# Allegro board C000PD020-3399PRO-DMEB-A-A01.brd (continued)
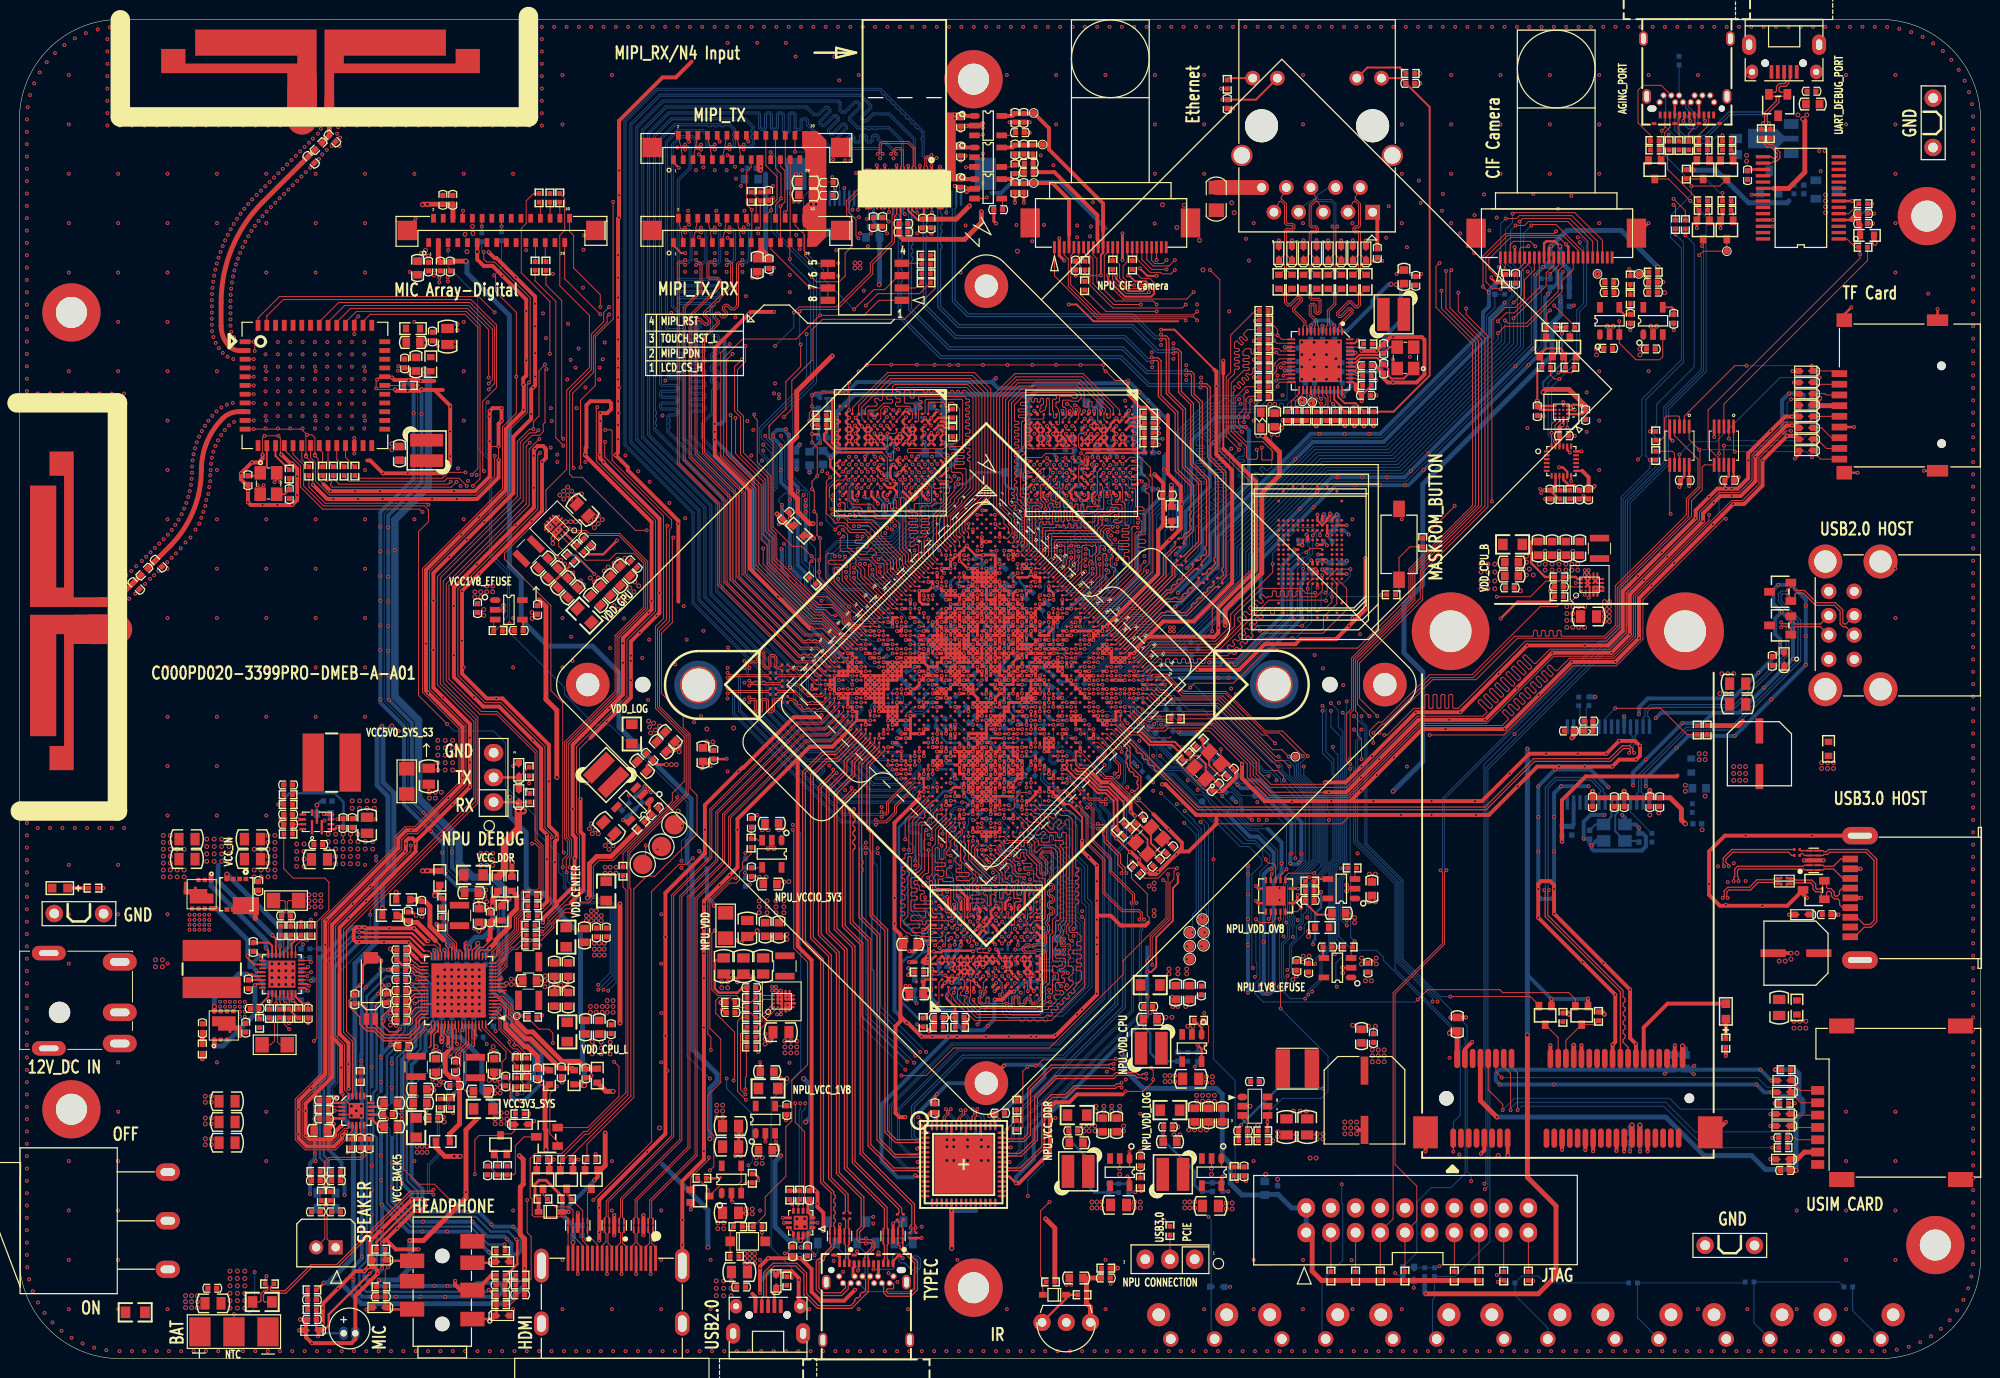
[diagram p0: board, top side]
## Routing (per net, layer and track width the routed paths; a pad name or vN(x,y) marks a point on that pad's centre or on a via; arc(x,y) is an arc through that point) (continued)
  TOP w0.203: U1000.AU14 v1(88.92,64.3)
  S1 w0.127: v1(88.92,64.3) 88.92,64.53 88.83,64.62 88.65,64.62 87.17,63.14 87.17,58.26 85.78,56.87 85.78,56.65 v1(85.88,56.55)
USB20_OTG1_DM_J: length 9.4
  TOP w0.127: J2501.2 187.58,46.41 187.29,46.7 187.29,47.12 187.11,47.31 186.75,47.31 186.46,47.6 186.46,47.92 186.29,48.08 186.08,48.08 185.95,47.95 185.95,47.49 ED2501.1 185.41,47.6 185.41,47.9 185.28,48.03 184.85,48.03 184.56,48.32 184.56,48.71 184.31,48.96 182.71,48.96 182.61,48.86 FB2500.2 182.17,48.82 R2500.2
USB20_OTG1_DM_PORT: length 96.7
  TOP w0.127: v1(113.41,28.39) 113.3,28.28 112.89,28.28 112.69,28.08 108.52,28.08 107.61,27.16 106.18,27.16 105.21,26.19 105.21,21.82 103,19.61 101.79,19.61 101.68,19.73 U2102.35 ; v1(175.78,47.41) 175.69,47.5 175.69,48.02 175.9,48.22 178.13,48.22 178.91,48.99 180.42,48.99 180.56,48.86 FB2500.1 181,48.82 R2500.1
  S1 w0.127: v1(113.41,28.39) 113.5,28.31 117.17,28.31 117.48,28 119.61,28 121.54,29.93 130.2,29.93 135.69,35.42 139.96,35.42 146.76,42.23 162.31,42.23 168.2,48.12 175.38,48.12 175.67,47.83 175.67,47.53 v1(175.78,47.41)
USB20_OTG1_DP: length 53.5
  TOP w0.127: U2102.9 92.52,19.23 92.41,19.34 89.88,19.34 87.33,21.89 87.33,43.02 85.49,44.85 85.49,56.08 85.38,56.19 v1(85.38,56.55)
  TOP w0.203: U1000.AT14 v1(89.38,64.76)
  S1 w0.127: v1(89.38,64.76) 89.09,64.76 88.95,64.9 88.54,64.9 86.89,63.26 86.89,58.38 85.5,56.98 85.5,56.67 v1(85.38,56.55)
USB20_OTG1_DP_J: length 9.5
  TOP w0.127: R2503.2 182.17,49.45 FB2500.4 182.61,49.41 182.79,49.24 184.43,49.24 184.84,48.83 184.84,48.44 184.96,48.31 185.32,48.31 185.55,48.54 185.55,48.98 ED2501.2 185.95,48.95 185.95,48.49 186.08,48.36 186.41,48.36 186.74,48.03 186.74,47.71 186.87,47.58 187.06,47.58 187.28,47.8 187.28,48.12 187.57,48.41 J2501.3
USB20_OTG1_DP_PORT: length 96.7
  TOP w0.127: v1(113.41,27.89) 113.3,28 113,28 112.8,27.8 108.64,27.8 107.72,26.88 106.3,26.88 105.49,26.07 105.49,21.7 103.12,19.34 101.79,19.34 101.68,19.23 U2102.34 ; R2503.1 181,49.45 FB2500.3 180.56,49.41 180.42,49.27 178.79,49.27 178.01,48.5 175.78,48.5 175.41,48.13 175.41,47.54 v1(175.28,47.41)
  S1 w0.127: v1(175.28,47.41) 175.39,47.51 175.39,47.71 175.26,47.84 168.32,47.84 162.42,41.95 146.88,41.95 140.07,35.14 135.8,35.14 130.32,29.65 121.66,29.65 119.72,27.72 117.36,27.72 117.05,28.03 113.55,28.03 v1(113.41,27.89)
USB30_RX1N: length 47.6
  TOP w0.127: U2102.6 90.02,20.73 88.24,22.5 88.24,43.53 86.39,45.39 86.39,61.24 88,62.86 U1000.AY15
USB30_RX1N_PORT: length 104.3
  TOP w0.127: v1(176.39,49.13) 176.39,49.49 176.5,49.6 176.5,50.37 176.8,50.66 183.57,50.66 183.69,50.77 U2506.9 U2506.2 185.58,50.77 185.69,50.66 186.14,50.66 186.14,50.66 186.66,50.66 187.41,51.41 J2501.5 ; U2102.37 101.68,20.73 101.79,20.84 103.1,20.84 104.75,22.49 104.75,26.86 106.71,28.81 112.6,28.81 112.93,29.14 114.79,29.14 115.02,28.92 115.48,28.92 115.59,28.81 v1(115.95,28.81)
  S1 w0.127: v1(115.95,28.81) 116.05,28.81 116.19,28.94 116.37,28.94 116.58,29.14 116.89,29.14 118.21,30.47 129.98,30.47 135.44,35.93 139.71,35.93 146.54,42.76 162.09,42.76 168.87,49.54 176.37,49.54 176.49,49.41 176.49,49.23 v1(176.39,49.13)
USB30_RX1P: length 48
  TOP w0.127: U1000.AW15 88.46,62.92 86.67,61.13 86.67,51.33 86.79,51.2 86.79,50.94 86.67,50.82 86.67,50.56 86.79,50.44 86.79,50.18 86.67,50.06 86.67,45.5 88.52,43.65 88.52,22.62 90.13,21 92.41,21 92.63,21.23 U2102.5
USB30_RX1P_PORT: length 104.3
  TOP w0.127: v1(176.89,49.13) 176.89,49.49 176.78,49.6 176.78,50.25 176.91,50.38 183.57,50.38 183.68,50.27 U2506.10 U2506.1 185.58,50.27 185.69,50.38 186.26,50.38 186.66,50.38 187.64,49.41 J2501.6 ; U2102.38 101.68,21.23 101.79,21.11 102.98,21.11 104.47,22.61 104.47,26.97 106.59,29.09 112.48,29.09 112.81,29.42 114.91,29.42 115.14,29.2 115.48,29.2 115.59,29.31 v1(115.95,29.31)
  S1 w0.127: v1(115.95,29.31) 116.04,29.22 116.26,29.22 116.46,29.42 116.78,29.42 118.1,30.74 129.87,30.74 135.33,36.21 139.59,36.21 146.43,43.04 161.97,43.04 168.75,49.82 176.48,49.82 176.77,49.53 176.77,49.26 v1(176.89,49.13)
USB30_TX1N: length 45.3
  TOP w0.127: U2102.2 92.79,22.73 92.58,22.52 90.25,22.52 89.33,23.43 89.33,44.16 87.81,45.68 87.81,54.29 87.48,54.62 87.48,61.02 89.06,62.6 89.06,62.78 U1000.AW16
USB30_TX1N_J: length 17.4
  TOP w0.127: C2506.2 183.38,51.98 183.48,51.98 183.68,51.77 U2506.7 U2506.4 185.58,51.77 185.69,51.88 186.04,51.88 186.27,52.11 190,52.11 190.84,51.27 190.84,45.08 190.42,44.66 189.81,44.66 189.07,45.41 J2501.8
USB30_TX1N_PORT: length 98.4
  TOP w0.127: U2102.41 101.68,22.73 101.79,22.61 103.25,22.61 103.76,23.12 103.76,27.79 106.18,30.21 112.13,30.21 112.24,30.32 v1(112.6,30.32) ; C2506.1 182.35,51.78 182.02,52.11 176.32,52.11 175.59,51.38 175.59,51.06 175.9,50.76 v1(175.9,50.66)
  S1 w0.127: v1(175.9,50.66) 175.9,50.76 175.57,51.09 175.57,51.18 175.27,51.47 169.4,51.47 161.68,43.75 146.13,43.75 139.3,36.92 135.03,36.92 129.57,31.46 115.35,31.46 114.11,30.21 113.07,30.21 112.96,30.32 v1(112.6,30.32)
USB30_TX1P: length 45.1
  TOP w0.127: U1000.AY16 88.46,62.4 87.2,61.14 87.2,54.5 87.53,54.17 87.53,45.56 89.05,44.04 89.05,23.31 90.14,22.22 U2102.3
USB30_TX1P_J: length 18.3
  TOP w0.127: J2501.9 188.84,43.41 189.81,44.38 190.54,44.38 191.12,44.96 191.12,51.39 190.12,52.39 186.16,52.39 185.93,52.16 185.69,52.16 185.58,52.27 U2506.5 U2506.6 183.5,52.27 183.49,52.26 183.31,52.26 183.18,52.38 C2507.2
USB30_TX1P_PORT: length 98.1
  TOP w0.127: C2507.1 176.2,52.39 175.31,51.5 175.31,50.74 v1(175.39,50.66) ; v1(112.6,29.82) 112.24,29.82 112.13,29.93 106.3,29.93 104.04,27.67 104.04,23.01 103.37,22.34 101.79,22.34 101.68,22.22 U2102.40
  S1 w0.127: v1(175.39,50.66) 175.29,50.77 175.29,51.06 175.16,51.19 169.51,51.19 161.79,43.47 146.25,43.47 139.42,36.64 135.15,36.64 129.69,31.18 115.47,31.18 114.22,29.93 113.07,29.93 112.96,29.82 v1(112.6,29.82)
VREFCA_DDR0: length 18.6
  TOP w0.102: U3601.H4 90.26,95.35 90.12,95.2 v1(89.33,95.2) 89.33,95 89.31,94.97 89.31,93.86 89.08,93.63
  TOP w0.254: 89.08,93.63 84.2,93.63 83.61,94.22 83.61,98.67 v1(83.67,98.74)
  BOTTOM w0.254: v1(89.33,95.2) 89.23,95.1 C3650.1 ; 83.13,98.81 C3649.1 R3610.1 R3606.2 C3643.2 ; 83.13,98.81 83.59,98.81 v1(83.67,98.74) ; 83.13,98.81 C3651.1
VREFCA_DDR1: length 14.2
  TOP w0.102: U3600.H4 109.95,95.56 109.95,95.47 v1(109.66,95.18) 109.12,95.18 108.97,95.02 108.97,93.86 109.25,93.58
  TOP w0.254: v1(115.19,93.83) 114.93,93.58 109.25,93.58
  BOTTOM w0.254: v1(115.19,93.83) 115.76,93.27 ; 115.76,93.27 R3604.2 R3608.1 C3644.1 C3645.1 ; 115.76,93.27 C3642.2 ; v1(109.66,95.18) 109.56,95.28 C3646.1
VREFDQ_DDR0: length 13.4
  TOP w0.102: U3601.J11 89.61,90.05 v1(89.23,90.43) 89.31,90.5 89.31,92.69 88.75,93.25
  TOP w0.254: R3607.2 R3611.1 83.03,95.33 C3653.1 82.8,94.52 84.07,93.25 88.75,93.25
  BOTTOM w0.406: C3652.1 89.23,90.91 v1(89.23,90.43)
VREFDQ_DDR1: length 13.4
  TOP w0.102: 109.82,93.21 109.55,92.94 109.55,92.57 109.61,92.51 109.61,92.23 109.36,91.98 109.14,91.98 108.99,91.83 108.99,90.3 109.31,89.99 U3600.J11 109.31,89.93 v1(109.63,89.61)
  TOP w0.254: 109.82,93.21 115.91,93.21 C3648.1 115.76,93.4 R3609.1 R3605.2
  BOTTOM w0.254: v1(109.63,89.61) 109.42,89.82 C3647.1
WIFI_HOST_WAKE_L: length 194
  TOP w0.102: U6100.16 28.15,93.05 29.24,91.97 29.24,89.81 31.3,87.74 41.68,87.74 42.09,87.34 42.09,86.12 41.07,85.1 41.07,68.24 v1(44.02,65.29) ; v1(130.12,59.5) 130.07,59.5 130.07,59.9 129.46,60.51 129.04,60.51 122.94,66.61 116.97,66.61 116.76,66.41 115.32,66.41 114.67,67.05 U1000.G39
  S1 w0.102: v1(59.56,38.47) 59.77,38.67 68.18,38.67 72.25,34.61 90.25,34.61 90.96,35.32 94.11,35.32 94.82,34.61 96.24,34.61 96.95,35.32 106.69,35.32 113.9,42.53 119.03,42.53 119.74,43.24 123.88,43.24 125.3,44.66 130.18,44.66 v1(130.38,44.87)
  BOTTOM w0.102: v1(59.56,38.47) 60.78,39.69 60.78,46.29 60.27,46.8 57.63,46.8 56.01,48.42 56.01,49.54 55.5,50.05 55.5,51.88 53.06,54.32 53.06,55.84 50.01,58.89 50.01,63.36 48.79,64.58 44.73,64.58 v1(44.02,65.29) ; v1(130.12,59.5) 132.72,56.9 132.72,51.27 130.28,48.83 130.28,44.97 v1(130.38,44.87)
WIFI_REG_ON_H: length 83.8
  TOP w0.102: U6100.15 27.25,93.52 28.93,91.84 28.93,89.68 31.2,87.41 41.2,87.41 v1(41.48,87.13) ; U1000.AD9 v1(93.06,73.03)
  S1 w0.089: 82.32,71.28 84.39,69.22 84.46,69.22 84.65,69.03 84.65,68.96 84.85,68.76 84.92,68.76 85.11,68.57 85.11,68.5 85.47,68.13 85.57,68.13 85.84,67.87 85.84,67.84 86.3,67.38 86.49,67.19 87.68,67.19 89.33,68.84 89.33,68.97 89.64,69.27 92.51,69.27 92.92,69.68 93.38,70.14 93.38,70.41 93.19,70.59 93.19,72.89 v1(93.06,73.03)
  S1 w0.102: 82.32,71.28 82.07,71.54 75.49,71.54 59.69,87.34 41.68,87.34 v1(41.48,87.13)
XTAL_IN: length 4.5
  TOP w0.203: C6106.1 24.47,90.83 Y6100.1 25.45,91.82 U6100.13
XTAL_OUT: length 2.6
  TOP w0.203: Y6100.3 27.3,88.95 C6107.1 R6105.1
N16750498: length 4.2
  TOP w0.102: R8308.2 C8315.1 182.7,22.72 182.91,22.52 J8301.C6
N16787562: length 4
  TOP w0.102: U8300.3 125.83,24.63 126.36,24.1 C8310.2 R8305.2 R8310.1
N16840335: length 2
  TOP w0.406: R8303.2 LED8300.1
N16840488: length 12.7
  TOP w0.406: J8300.42 167.13,34.07 169.58,36.52 LED8300.2
N16852534: length 2.1
  TOP w0.102: U2000.11 C2010.1 R2002.2
N16852678: length 3.9
  S1 w0.254: v1(32.72,55.51) v1(36.65,55.51)
  vias: v2(34.24,57.39) v2(34.24,56.63) v2(35,57.39) v2(35,56.63) v2(35.76,57.39) v2(35.76,56.63) v2(36.53,57.39) v2(36.53,56.63)
N16852986: length 11.9
  TOP w0.254: v1(32.72,54.72) 32.47,54.48 U2000.3 ; R2003.1 v1(26.63,57.02)
  BOTTOM w0.254: v1(32.72,54.72) 33.05,54.72 33.35,55.03 33.35,57.26 32.44,58.18 27.79,58.18 v1(26.63,57.02)
N16858859: length 38.9
  TOP w0.102: U?.32 43.09,41.38 43.09,41.81 43.05,41.84 43.05,42.28 42.77,42.56 41.63,42.56
  TOP w0.254: 41.63,42.56 40.41,43.77 35.5,43.77 35.4,43.87 v1(34.98,43.87)
  BOTTOM w0.254: FB2101.1 31.42,17.81 31.42,20.18 30.91,20.69 30.91,28.32 31.42,28.83 31.42,40.7 34.59,43.87 v1(34.98,43.87)
N16858863: length 37
  TOP w0.102: 41.63,41.95 42.14,41.95 42.39,41.7 42.39,41.38 U?.34
  TOP w0.254: v1(34.98,43.37) 40.21,43.37 41.63,41.95
  BOTTOM w0.254: v1(34.98,43.37) 34.6,43.37 31.83,40.6 31.83,28.66 31.32,28.15 31.32,20.89 31.83,20.38 31.83,17.75 FB2100.1
N16858865: length 7.4
  TOP w0.102: C2144.1 C2145.1 39.85,38.89 39.85,38.54 40.23,38.16 40.97,38.16 41.04,38.23 41.69,38.23 U?.42
  TOP w0.152: U?.43 41.69,37.88 40.41,37.88 v1(40.21,37.68) 40.01,37.88 C2144.1
  BOTTOM w0.102: C2145.1 C2140.2
  BOTTOM w0.152: C2140.2 39.96,37.7 40.18,37.7 v1(40.21,37.68)
N16876893: length 5.7
  TOP w0.102: U?.27 44.84,41.79 44.78,41.84 44.78,42.66 43.87,43.57 43.87,44.97 R2114.1 R2112.1
N16877510: length 7.2
  TOP w0.102: R2125.1 52.04,45.58 51.54,45.07 51.54,43.85 49.56,41.87 49.56,40.83 49.06,40.33 48.69,40.33 U?.16
N16877512: length 6.3
  TOP w0.102: R2126.1 51.74,44.17 51.74,43.75 49.76,41.77 49.76,40.63 49.12,39.98 48.69,39.98 U?.15
N16877514: length 5.8
  TOP w0.102: R2127.1 50.91,42.33 50.62,42.33 49.96,41.67 49.96,40.42 49.17,39.63 48.69,39.63 U?.14
N16877516: length 7.6
  TOP w0.102: U?.17 49,40.68 49.35,41.03 49.35,41.97 51.33,43.95 51.33,45.25 52.31,46.22 R2130.1
N16877518: length 8.8
  TOP w0.102: R2131.1 52.15,47.61 51.84,47.3 51.84,46.06 51.13,45.35 51.13,44.05 49.11,42.03 49.11,41.48 48.94,41.31 48.29,41.31 48.22,41.38 U?.18
N16878059: length 8.7
  TOP w0.102: C2150.1 48.3,19.82 R2160.2 R2161.1 50.88,18.92 51.03,19.06 51.03,21.91 51.94,22.82 D2100.3
N17170012: length 2.5
  TOP w0.102: R9828.1 J9711.2
N58892362: length 2.3
  TOP w0.254: R3602.1 115.37,95.89 114.76,95.89 114.68,95.96 114.26,95.96 U3600.B4
N58892375: length 2.3
  TOP w0.254: U3600.B3 114.28,96.78 114.66,96.78 114.76,96.87 115.32,96.87 115.36,96.91 115.38,96.91 R3600.1
N58896052: length 2.1
  TOP w0.254: U3601.B4 94.56,96.01 94.96,96.01 95.18,95.78 R3603.1
N58896059: length 2
  TOP w0.254: U3601.B3 94.56,96.81 R3601.1
N65226615: length 2.2
  BOTTOM w0.102: U2800.17 160.57,67.05 R2803.1
N65226633: length 2.3
  BOTTOM w0.102: R2801.1 161.22,66.91 U2800.18
N73963763: length 4.4
  BOTTOM w0.254: 93.03,39.14 C3114.2 93.03,38.79 ; 93.03,39.14 92.86,38.96 93.03,38.79 ; 93.03,39.14 R3103.2 R3104.1 ; C3117.1 R3107.1 93.03,38.79
N74624754: length 2.1
  TOP w0.254: R7007.2 C7003.1 29.69,6.01 29.69,5.08 R7008.1
N74679790: length 2.2
  TOP w0.152: U?.46 41.68,36.83 41.12,36.83 40.82,36.54 v1(40.67,36.54)
  BOTTOM w0.254: v1(40.67,36.54) 40.33,36.88 C2127.1
N74679798: length 11.1
  TOP w0.152: C2133.1 35.28,36.52 35.71,36.09 Y2100.2 35.71,34.17 35.86,34.02 36.55,34.02 37.56,33.01 40.11,33.01 41.12,34.02 41.12,34.83 41.37,35.08 U?.51
N74679800: length 10.2
  TOP w0.152: C2130.1 37.73,36.66 36.96,36.66 36.6,36.31 Y2100.1 36.6,34.38 37.67,33.31 40.01,33.31 40.82,34.12 40.82,34.96 41.29,35.43 U?.50
N74687755: length 10.8
  TOP w0.152: 44.12,33.06 43.71,33.46 43.71,33.87 43.79,33.94 43.79,34.38 U?.56
  TOP w0.381: 44.12,33.06 v1(44.12,32.17) ; v1(44.68,27.21) 44.68,27.08 R2118.1 R2117.1
  BOTTOM w0.381: v1(44.12,32.17) 44.42,31.86 45.44,31.86 45.85,31.46 45.85,28.38 v1(44.68,27.21)
N74763326: length 1.7
  TOP w0.152: U4100.K2 v1(136.57,80.74)
  BOTTOM w0.254: C4100.2 136.02,80.74 v1(136.57,80.74)
N74993369: length 115.6
  TOP w0.102: R9100.2 122.85,65.84 127.25,61.44 127.25,60.2 128.67,58.79 136.53,58.79 143.84,66.1 150.6,66.1 150.99,66.49 150.99,66.63 150.11,67.51 150.11,67.65 150.26,67.79 150.4,67.79 151.27,66.92 151.42,66.92 151.56,67.07 151.56,67.21 150.69,68.08 150.69,68.23 150.83,68.37 150.98,68.37 151.85,67.5 151.99,67.5 152.14,67.64 152.14,67.78 151.26,68.66 151.26,68.8 151.41,68.94 151.55,68.94 152.42,68.07 152.57,68.07 152.71,68.22 152.71,68.36 151.84,69.23 151.84,69.38 151.98,69.52 152.13,69.52 153,68.65 153.14,68.65 153.29,68.79 153.29,68.94 152.41,69.81 152.41,69.95 152.56,70.1 152.7,70.1 153.57,69.22 153.72,69.22 153.86,69.37 153.86,69.51 152.99,70.38 152.99,70.53 153.13,70.67 153.28,70.67 154.15,69.8 154.29,69.8 154.44,69.94 154.44,70.09 153.56,70.96 153.56,71.1 153.71,71.25 153.85,71.25 154.72,70.37 154.87,70.37 155.01,70.52 155.01,70.66 154.14,71.53 154.14,71.68 154.28,71.82 154.43,71.82 155.3,70.95 155.44,70.95 155.59,71.09 155.59,71.24 154.71,72.11 154.71,72.25 154.86,72.4 155,72.4 155.87,71.52 156.02,71.52 157.49,72.99 163.67,72.99 165.35,74.67 165.35,78.78 172.88,86.31 172.88,87.12 174.87,89.12 176.97,89.12 178.28,90.43 178.28,92.97 181.69,96.38 184.12,96.38 184.46,96.71 ED9103.1 J9100.5
N75025601: length 3.2
  TOP w0.152: U?.61 45.54,34.38 45.54,33.85 45.57,33.82 v1(45.57,33.79)
  BOTTOM w0.508: v1(45.57,33.79) 45.73,33.95 C2139.1 R2124.1 46.76,34.18 46.76,33.12 46.8,33.08 R2122.2
N75549407: length 6.8
  TOP w0.102: R2123.2 R2121.2 51.18,30.15 50.67,30.66 50.67,31.35 47.99,34.04 47.99,34.38 U?.68
N76964882: length 2
  TOP w0.102: R7502.1 53.11,112.93 J7500.23
N76964913: length 1.5
  TOP w0.102: v1(47.57,116.5) 47.57,117.31 J7500.12
  BOTTOM w0.102: R7500.1 v1(47.57,116.5)
N76964950: length 1.4
  TOP w0.102: J7500.16 v1(49.61,116.5)
  BOTTOM w0.102: R7501.1 v1(49.61,116.5)
N76965092: length 1.7
  TOP w0.102: R7505.1 54.61,118.97 J7500.26
N76965117: length 2
  TOP w0.102: J7500.25 54.11,112.95 R7504.1
N76965125: length 1.7
  TOP w0.102: R7503.1 53.61,118.85 J7500.24
N77104915: length 6.9
  TOP w0.102: R4103.1 143.08,83.53 141.96,82.41 SW4100.2 141.96,78.96 R4102.2
N77157808: length 15.2
  TOP w0.203: C1113.1 117.44,52.02 116.43,53.02 116.43,54.68 115.59,54.68 115.2,55.06 C1130.1 113.65,55.06 R1106.1 113.63,57.25 112.05,58.83 111.22,58.83 109.64,60.41 108.89,60.41 U1000.Y40
N77157812: length 5.2
  TOP w0.203: C1114.1 116.7,51.92 116.08,51.92 116.08,53.43 115.07,54.43 R1107.1
N77157826: length 10.5
  TOP w0.127: 109.19,60.11 108.78,60.11 108.23,60.66 108.23,61.08
  TOP w0.203: 109.19,60.11 109.51,60.11 111.1,58.51 111.93,58.51 112.99,57.45 R1106.2 113.6,53.79 R1107.2
N77203466: length 4.6
  TOP w0.254: U9700.4 188.45,117.17 188.49,117.21
  TOP w0.508: R9702.2 189.4,116.67 C9700.1 C9701.1 189.1,117.82 188.49,117.21
N77203798: length 2.4
  TOP w0.102: R9700.2 188.9,114.36 188.05,115.22 U9700.1
N77203800: length 2.5
  TOP w0.102: R9701.2 188.25,117.82 U9700.5
N77245547: length 3.5
  TOP w0.152: 42.74,33.98 42.37,33.61 42.04,33.61 ; 42.74,33.98 U?.53 ; 42.74,33.98 42.74,33.81 42.34,33.41 42.34,32.19 42.14,31.99
N77640550: length 1.7
  BOTTOM w0.102: R3108.2 R3109.2 99.7,36.26 C3127.1
N77675235: length 1.2
  TOP w0.203: C9602.1 51.83,75.97 U9600.4
N77909779: length 2.2
  TOP w0.102: R3101.1 93.7,39.78 94.01,39.47 94.5,39.47 94.6,39.47 U3100.B4
N77909781: length 4.8
  TOP w0.102: R3100.1 94.61,36.67 94.62,38.52 94.62,38.69 U3100.B3
N78239852: length 1.1
  TOP w0.305: U1000.R7 v1(95.36,78.09)
  BOTTOM w0.254: R1204.1 94.93,78.51 v1(95.36,78.09)
N78245073: length 1.1
  TOP w0.305: U1000.G15 v1(103.17,78.54)
  BOTTOM w0.254: v1(103.17,78.54) 103.54,78.18 R1205.1
N78245833: length 2.4
  TOP w0.102: U1000.J25 107.31,72.57 v1(107.77,72.11)
  BOTTOM w0.089: v1(107.77,72.11) 108.23,72.11 108.76,71.58 R1300.1
N78331808: length 1.1
  TOP w0.305: U1000.AK35 v1(102.25,58.32)
  BOTTOM w0.254: R1207.1 102.25,58.5 v1(102.25,58.32)
N78340621: length 3.6
  TOP w0.203: U2200.E4 162.98,80.21 ; U2200.E4 162.37,80.82 ; U2200.E4 U2200.D3 ; 161.97,80.83 U2200.D4 U2200.E3 162.99,79.81
N78340690: length 2.9
  TOP w0.102: U2200.A2 C2206.1 R2201.2
N78341282: length 3.2
  TOP w0.254: U2201.D4 U2201.E4 ; U2201.D4 54.57,85.29 54.38,85.1 ; U2201.D4 U2201.D3 U2201.E3 ; U2201.E4 54.35,85.58 ; U2201.E4 U2201.E3 ; U2201.E3 54.37,86.12 54.28,86.12 ; 54.08,85.3 54.35,85.58 ; 54.35,85.58 54.33,85.58 54.08,85.83
N78341328: length 2.9
  TOP w0.254: C2209.1 R2202.2 56.05,85.01 U2201.A2
N78348845: length 3.7
  TOP w0.254: U2203.5 123.67,18.62 v1(123.79,18.74)
  BOTTOM w0.254: R2211.2 C2219.2 R2213.1 v1(123.79,18.74)
N78520754: length 1.2
  TOP w0.203: U9601.4 134.15,41.3 C9606.1
N78542743: length 1.4
  TOP w0.305: U1000.AF12 v1(92.6,70.73)
  BOTTOM w0.203: R1700.1 91.94,70.08 v1(92.6,70.73)
N78648910: length 4.7
  TOP w1.524: C6503.1 J6500.10
N78648999: length 2.7
  TOP w0.203: J6500.14 124.47,131.76 R6509.2
N78649013: length 5.8
  TOP w0.203: R6508.2 142.06,132.85 138.71,132.85 J6500.12
N78649429: length 4
  TOP w0.406: C6502.1 139.73,117.49 J6500.1
N78670883: length 5.1
  TOP w0.508: C6100.2 10.13,78.24 arc(9.69,77.95) 9.17,77.84 ANT6101.1
N78670885: length 20.3
  TOP w0.508: C6100.1 C6101.1 15.46,83.58 arc(17.87,87.18) 18.72,91.44 arc(19.29,94.31) 20.92,96.75 arc(21.68,97.26) 22.58,97.44 U6100.9
N78670966: length 3.1
  TOP w0.203: U6100.14 26.35,92.88 R6105.2
N78671038: length 4.5
  TOP w0.508: ANT6103.1 31.88,125.86 31.11,125.08 C6103.2
N78671040: length 25.6
  TOP w0.508: U6100.2 22.58,103.74 arc(22.07,103.84) 21.64,104.13 arc(20.98,105.11) 20.75,106.27 20.75,108.67 arc(21.86,114.27) 25.03,119.01 29.05,123.03 C6104.1 C6103.1
N78671515: length 2
  TOP w0.102: U6100.31 R6113.2
N78716469: length 12.1
  TOP w0.508: v1(172.24,122.29) 172.19,122.33 R9711.1
  BOTTOM w0.508: 182.09,119.14 181.89,118.93 177.93,118.93 174.57,122.29 v1(172.24,122.29)
N78716673: length 2.1
  TOP w0.102: R9718.2 R9722.1 168.73,123.48 Q9703.1
N78716737: length 2.1
  TOP w0.102: R9719.2 R9725.1 176.34,124.17 Q9704.1
N78716788: length 2.1
  TOP w0.102: Q9705.1 173.9,117.97 R9726.1 R9720.2
N78716835: length 2.1
  TOP w0.102: R9721.2 R9727.1 176.34,117.97 Q9706.1
N78716960: length 1.7
  TOP w0.102: R9711.2 171.57,121.38 Q9702.3
N78717505: length 0.9
  TOP w0.102: 115.12,67.97 v1(115.58,67.97)
  BOTTOM w0.102: v1(115.58,67.97) 115.65,67.9 TP1102.1
N78717521: length 0.8
  TOP w0.102: U1000.F38 v1(114.66,67.97)
  BOTTOM w0.102: TP1103.1 114.79,67.97 v1(114.66,67.97)
N78745709: length 2.5
  TOP w0.254: U9000.10 158.87,90.45 159.44,89.88 160.01,89.88 C9004.1
N78768142: length 3.9
  TOP w0.254: 37.64,11.26 37.64,10.16 37.74,10.06 J7000.7
N78768144: length 3.6
  TOP w0.254: R7004.2 ED7001.1 48.98,9.86 J7000.3
N78779583: length 1.3
  TOP w0.102: v1(134.54,83.68) 134.54,83.76 U4100.U5
  BOTTOM w0.102: v1(134.54,83.68) 134.2,84.03 R4101.2
N78791697: length 1.5
  TOP w0.254: U1000.V25 v1(102.71,67.97)
  BOTTOM w0.254: C1401.1 103.46,67.84 103.34,67.97 102.71,67.97 v1(102.71,67.97) 102.7,67.98 R1420.1
N78791703: length 2.3
  TOP w0.254: U1000.W24 v1(101.79,67.97)
  BOTTOM w0.254: R1421.1 102.34,66.71 102.34,67.4 C1400.1 102.25,67.51 v1(101.79,67.97)
N79170231: length 7.8
  TOP w0.508: R9006.2 C9020.1 C9021.1 109.8,7.93 R9014.1 109.8,5.71 110.21,5.29 U9002.3
N79170245: length 5.1
  TOP w0.254: R9014.2 D9000.2 107.7,6.19 U9002.1
N79268148: length 19.5
  BOTTOM w0.102: SW1501.2 157.27,3.15 153.89,6.52 R1502.2 154.6,8.49 156.29,8.49 157,7.78 R1503.1
N79268170: length 16
  BOTTOM w0.102: R1506.1 187.23,7.88 R1505.2 178.48,3.66 SW1503.2
N79268348: length 17.8
  BOTTOM w0.102: R1505.1 177.48,7.78 R1503.2 166.49,4.22 SW1502.2
N79268396: length 6.6
  BOTTOM w0.102: R1506.2 188.64,4.93 SW1504.2
N79558457: length 1.8
  TOP w0.305: U1000.AF15 v1(93.98,69.35)
  BOTTOM w0.102: R1702.1 93.21,68.58 v1(93.98,69.35)
N79918845: length 1.6
  TOP w0.203: U4701.4 164.63,107.95 165.13,107.45 C4723.1
N79918959: length 1.7
  TOP w0.203: C4720.1 170.23,107.98 170.03,108.18 U4700.4
N79927266: length 2.2
  TOP w0.406: LED2002.1 R2020.2
N79965472: length 3.2
  TOP w0.102: R2611.2 D8901.2 73.13,13.23 R2612.1
N79985256: length 4.7
  TOP w0.254: U2202.5 121.64,31.86 v1(121.23,32.27)
  BOTTOM w0.254: v1(121.23,32.27) R2212.1 R2209.2 C2213.2
N79988861: length 3.5
  TOP w0.203: C2227.2 R2217.2 R2221.1 133.44,49.35 U2204.4
N79991010: length 3.9
  TOP w0.254: v1(114.02,18.76) 114.22,18.55 U2205.5
  BOTTOM w0.254: C2229.2 R2219.2 R2220.1 114.12,18.65 v1(114.02,18.76)
N80039782: length 1.3
  TOP w0.102: U1000.C37 v1(115.58,69.81)
  BOTTOM w0.102: R4100.1 115.83,70.06 v1(115.58,69.81)
N80160069: length 2.6
  TOP w0.254: R7010.1 49.97,7.56 C7001.1 50.38,8.01 50.5,8.01 R7011.2
N80186436: length 1.5
  TOP w0.254: U7500.14 37.14,25.91 C7517.1
N80186440: length 1.7
  TOP w0.254: C7516.1 37.01,23.86 U7500.11
N80186446: length 1.6
  TOP w0.102: U7500.10 35.47,23.11 C7515.1
N80186465: length 1.7
  TOP w0.254: U7500.8 34.67,23.16 R7511.2
N80186469: length 1.6
  TOP w0.102: U7500.17 R7510.2
N80186627: length 1.4
  TOP w0.102: U7500.9 C7514.1
N80186629: length 1.5
  TOP w0.102: R7512.2 32.06,25.91 U7500.2
N80351704: length 3.7
  TOP w0.102: R1308.2 ED1300.1
  TOP w0.254: J1300.1 ED1300.1
N80351708: length 4.1
  TOP w0.102: ED1301.1 51.55,59.96 R1307.2
  TOP w0.254: ED1301.1 51.25,59.8 J1300.2
N80722532: length 1.4
  TOP w0.102: R2160.1 49.2,20.71 Q2100.1
N81273562: length 1.9
  TOP w0.089: U1000.G21 v1(105.93,75.79)
  BOTTOM w0.089: v1(105.93,75.79) 105.27,76.44 R1706.1
N81278944: length 2
  TOP w0.102: U2606.3 74.26,17.71 74.66,18.1 R2615.1
N81281434: length 1.4
  TOP w0.102: v1(30,45.17) R2044.2
  BOTTOM w0.102: v1(30,45.17) 29.94,45.11 C2045.1
N81281436: length 3.7
  TOP w0.102: R2044.1 29.59,43.2 v1(29.59,43.07) 29.01,43.07 28.41,42.46 U2003.17
  BOTTOM w0.102: C2046.1 29.59,43.2 v1(29.59,43.07)
N81281452: length 1.8
  TOP w0.102: U2003.5 27.21,36.74 v1(27.38,36.56)
  BOTTOM w0.102: v1(27.38,36.56) 27.76,36.18 R2041.2
N81282096: length 2.5
  TOP w0.102: R2015.2 25.73,36.64 v1(25.83,36.74) 26.01,36.91 U2003.2
  BOTTOM w0.102: C2040.1 25.73,36.64 v1(25.83,36.74)
N81282102: length 2.5
  TOP w0.102: R2014.2 26.41,36.3 v1(26.41,36.54) U2003.3
  BOTTOM w0.102: v1(26.41,36.54) 26.41,36.31 C2020.1
N81282264: length 4
  TOP w0.102: R2011.2 25.86,32.29 26.24,32.68 26.24,34.55 R2015.1
N81282268: length 3
  TOP w0.203: R2040.2 24.66,35.01 C2050.1 24.66,36.27 25.61,37.22 U2003.1
N81282310: length 4
  TOP w0.102: R2022.1 27.23,47.13 27.36,47 27.36,45.93 C2032.1 26.93,45.5 R2019.1
N81282324: length 11
  TOP w0.203: U2003.21 v1(26.81,42.39)
  TOP w0.508: Q2004.4 v2(21.35,49.85)
  BOTTOM w0.508: v2(21.35,49.85) 26.81,44.39 v1(26.81,42.39)
N81282352: length 2.1
  TOP w0.102: R2019.2 27.21,43.31 U2003.20
N81282356: length 2.2
  TOP w0.102: U2003.19 27.61,43.26 R2026.2
N81282406: length 1.2
  TOP w0.508: R2042.2 C2052.1
N81282458: length 3.1
  TOP w0.102: U2003.6 27.61,37.1 27.75,36.95 27.75,35.98 R2030.2
  TOP w0.203: R2027.2 28.63,35.06 R2030.2
N81282460: length 5.3
  TOP w0.203: U2003.7 28.01,37 v1(28.17,36.84) 28.73,36.28 R2027.1
  BOTTOM w0.406: R2023.2 26.56,37.07 27.74,37.07 27.97,36.84 v1(28.17,36.84) 28.17,37.49 C2033.2
N81282468: length 10
  TOP w0.203: U2003.31 24.37,38.56 v1(24.23,38.42)
  TOP w0.508: Q2003.1 v2(20.06,32.17)
  BOTTOM w0.508: v2(20.06,32.17) 20.95,32.17 24.23,35.44 v1(24.23,38.42)
N81282486: length 7.4
  TOP w0.203: U2003.29 24.13,39.36 23.92,39.57 v1(23.41,39.57)
  TOP w0.508: Q2003.8 v2(20.06,36.22)
  BOTTOM w0.508: v1(23.41,39.57) 22.57,39.57 20.06,37.06 v2(20.06,36.22)
N81282498: length 8.8
  TOP w0.203: v1(23.5,41.41) 23.5,41.21 24.15,40.56 U2003.26
  TOP w0.508: Q2002.8 v2(20.24,46.31)
  BOTTOM w0.508: v2(20.24,46.31) 23.5,43.06 v1(23.5,41.41)
